# Altium PCB FPGA_A3P10002.PcbDoc (part 1 of 2) (continued)
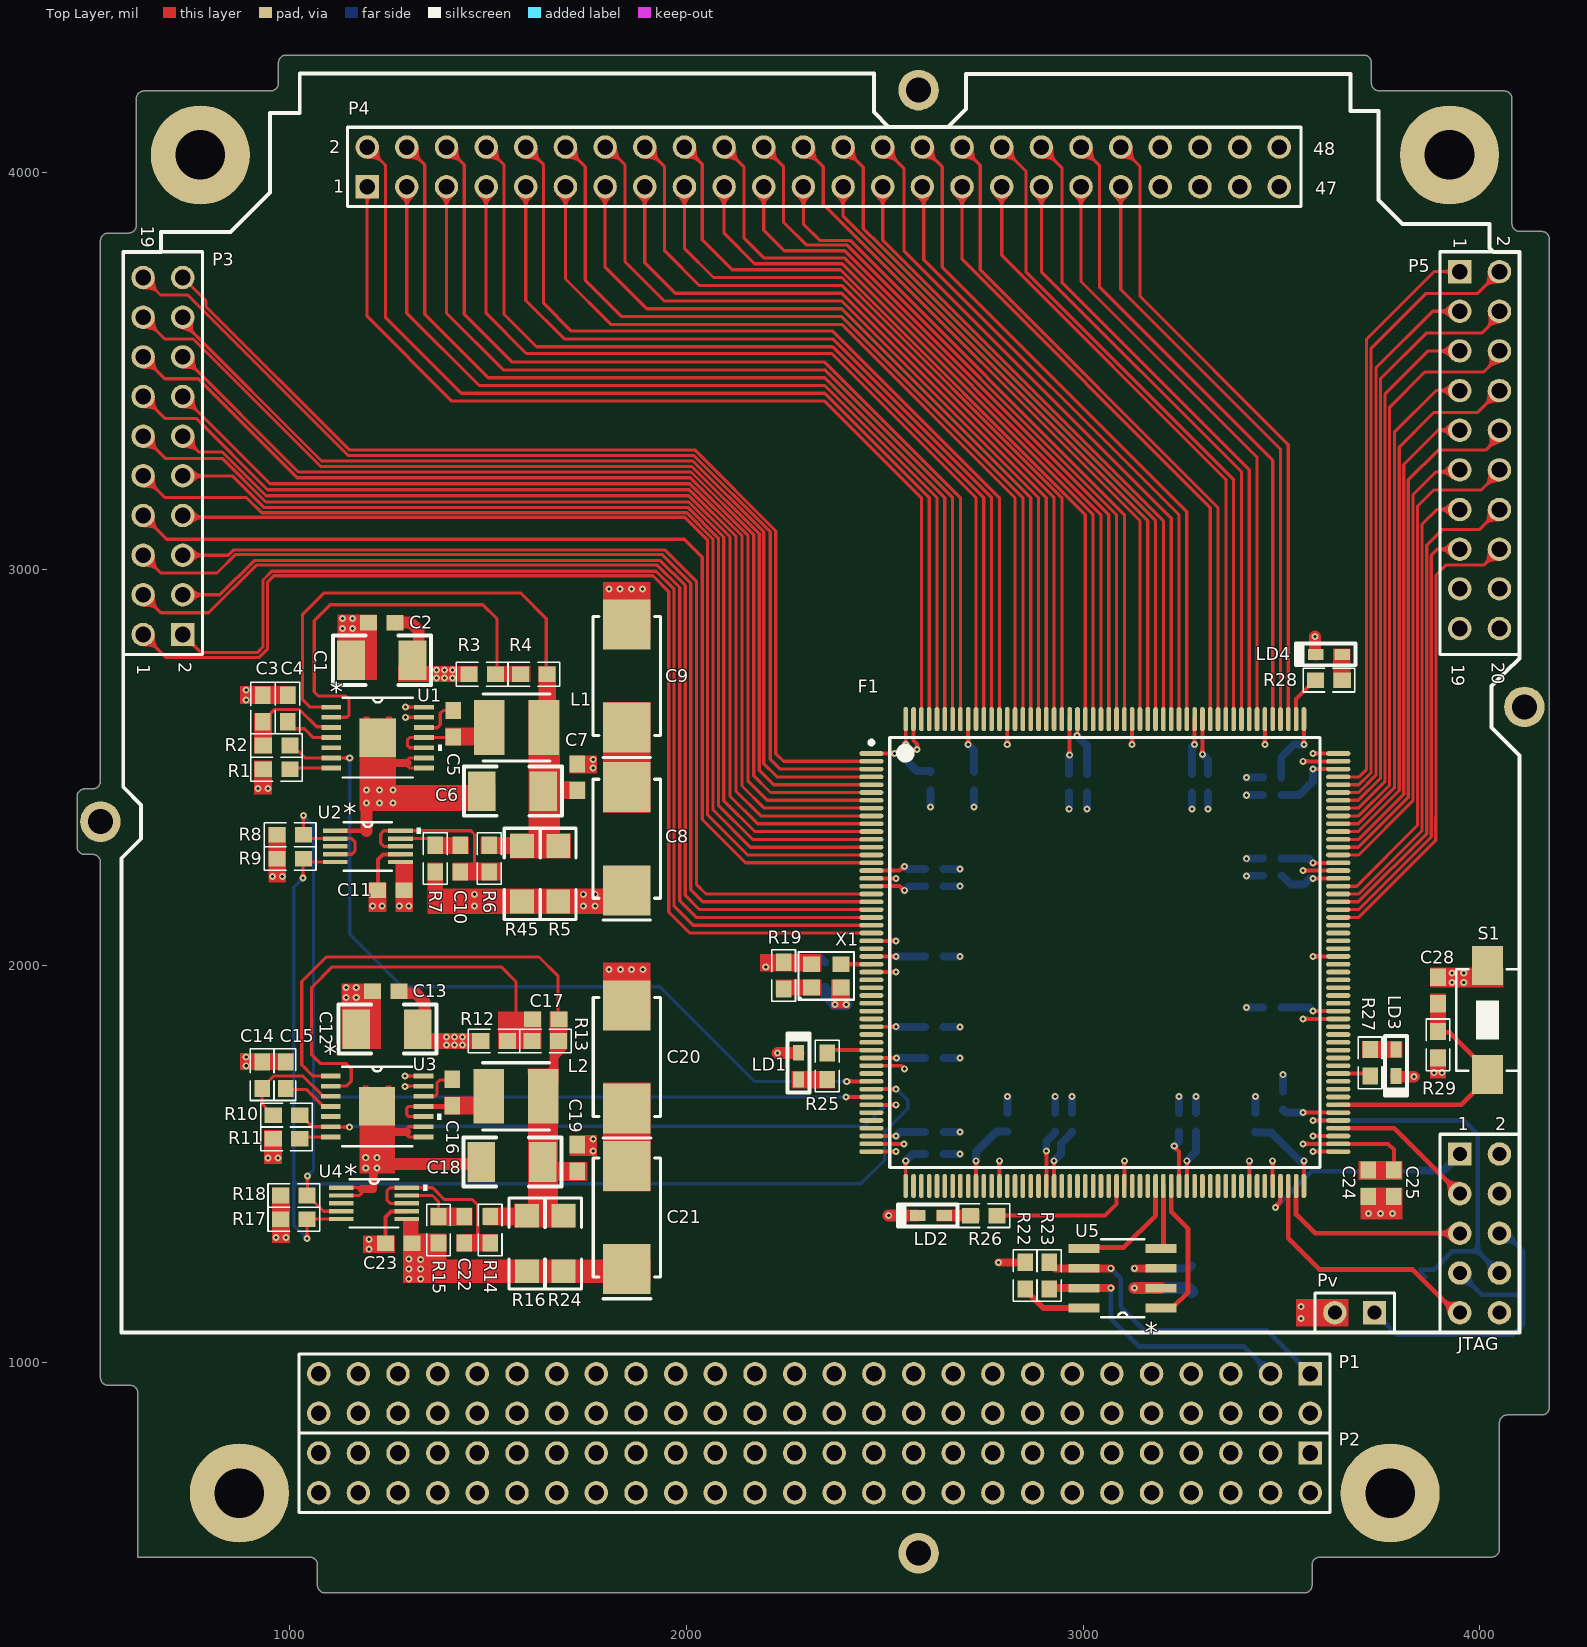
[diagram p0: Top Layer view]
## Components (designator, comment, footprint, x,y, rotation, side; value= is the part's Value field where it differs from the comment)
C1 "Cap" "C 1210" 1231.67,2770 r180 top value=22uF
C2 "Cap" 0603-2 1231.67,2865 r180 top value=100nF
C3 "Cap" 0603-2 932.17,2648.46 r270 top value=1.0uF
C4 "Cap" 0603-2 995,2648.46 r270 top value=3.3nF
C5 "Cap" 0603-2 1411.67,2610 r90 top value=100nF
C6 "Cap" "C 1210" 1561.67,2440 r180 top value=22uF
C7 "Cap" 0603-2 1725,2475 r90 top value=100nF
C8 "Cap Pol" CAP-7343 1849.5,2320 r90 top value=220uF
C9 "Cap Pol" CAP-7343 1849.5,2730 r90 top value=220uF
C10 "Cap" 0603-2 1430,2270 r90 top value=100nF
C11 "Cap" 0603-2 1254.2,2190 r0 top value=100nF
C12 "Cap" "C 1210" 1245,1840 r180 top value=22uF
C13 "Cap" 0603-2 1241.54,1935 r180 top value=100nF
C14 "Cap" 0603-2 930,1723.46 r270 top value=1.0uF
C15 "Cap" 0603-2 990,1723.46 r270 top value=15nF
C16 "Cap" 0603-2 1410,1680 r90 top value=100nF
C17 "Cap" 0603-2 1645,1865 r0 top value=10pF
C18 "Cap" "C 1210" 1560,1505 r180 top value=22uF
C19 "Cap" 0603-2 1725,1515 r90 top value=100nF
C20 "Cap Pol" CAP-7343 1850,1770 r90 top value=220uF
C21 "Cap Pol" CAP-7343 1850,1365 r90 top value=220uF
C22 "Cap" 0603-2 1440,1333.94 r90 top value=100nF
C23 "Cap" 0603-2 1275,1300 r0 top value=100nF
C24 "Cap" 0603-2 3718.72,1451.34 r90 top value=10nF
C25 "Cap" 0603-2 3783.72,1451.54 r90 top value=330nF
C26 "Cap" 0603-2 2350,1975 r90 bottom value=100nF
C27 "Cap" 0603-2 3275,1210 r270 bottom value=100nF
C28 "Cap" 0603-2 3895,1937.32 r90 top value=10uF
C29 "Cap" "C 0402" 2625,2200 r180 bottom value=100K
C30 "Cap" "C 0402" 2625,1767.25 r180 bottom value=100K
C31 "Cap" "C 0402" 2625,1580 r180 bottom value=100K
C32 "Cap" "C 0402" 2625,1525 r180 bottom value=100K
C33 "Cap" "C 0402" 2810,1605 r270 bottom value=100K
C34 "Cap" "C 0402" 3285,1605 r270 bottom value=100K
C35 "Cap" "C 0402" 2972.83,1605 r270 bottom value=100K
C36 "Cap" "C 0402" 3435,1605 r270 bottom value=100K
C37 "Cap" "C 0402" 3504.69,1660 r270 bottom value=100K
C38 "Cap" "C 0402" 3476.77,1895 r0 bottom value=100K
C39 "Cap" "C 0402" 3476.77,2226.77 r0 bottom value=100K
C40 "Cap" "C 0402" 3476.77,2430 r0 bottom value=100K
C41 "Cap" "C 0402" 3476.77,2475 r0 bottom value=100K
C42 "Cap" "C 0402" 3275,2460 r90 bottom value=100K
C43 "Cap" "C 0402" 2725,2465 r90 bottom value=100K
C44 "Cap" "C 0402" 2614.84,2465 r90 bottom value=100K
C45 "Cap" "C 0402" 3010,2460 r90 bottom value=100K
C47 "Cap" "C 0402" 2625,2243.5 r180 bottom value=100K
C48 "Cap" "C 0402" 2625,2023.15 r180 bottom value=100K
C49 "Cap" "C 0402" 2625,1845 r180 bottom value=100K
C50 "Cap" "C 0402" 2930.19,1605 r270 bottom value=100K
C51 "Cap" "C 0402" 3242,1605 r270 bottom value=100K
C52 "Cap" "C 0402" 3476.77,2270 r0 bottom value=100K
C53 "Cap" "C 0402" 3315,2460 r90 bottom value=100K
C54 "Cap" "C 0402" 2965,2460 r90 bottom value=100K
F1 "A3P1000PQ208" SQFP50P3060X3060X410-208N 3055,2033 r0 top
JTAG "" HDR2X5 3950,1525 r270 top
L1 "XAL4030-332" XAL40XX 1571.67,2600.59 r0 top
L2 "XAL4030-472" XAL40XX 1570,1670.59 r0 top
LD1 "" LED-0603 2282.83,1746.54 r90 top
LD2 "" LED-0603 2616.54,1370 r180 top
LD3 "" LED-0603 3789.28,1755.16 r270 top
LD4 "" LED-0603 3620,2785 r180 top
P1 "Header 26*2" "HEADER 26*2-2.54MM" 3572.83,971.14 r180 top
P2 "Header 26*2" "HEADER 26*2-2.54MM" 3572.83,771.14 r180 top locked
P3 "Header 10*2 anti" "HEADER 10*2-2.54MM" 730,2835 r90 top
P4 "Header 24*2" "Header 24*2-2.54mm" 1195,3964 r0 top
P5 "Header 10*2" "HEADER 10*2-2.54MM" 3950,3750 r270 top
Pv "" HDR1X2 3735,1125 r180 top
R1 "Res1" 0603-1 966.67,2495 r0 top value=10K
R2 "Res1" 0603-1 966.67,2555 r0 top value=100K
R3 "Res1" 0603-1 1485.13,2735 r0 top value=24.9K
R4 "Res1" 0603-1 1615.13,2735 r0 top value=24K
R5 "Res1" 1206 1676.67,2231.5 r270 top value=0.05
R6 "Res1" 0603-1 1502.77,2270 r270 top value=10
R7 "Res1" 0603-1 1366.54,2270 r90 top value=10
R8 "Res1" 0603-1 1000.94,2330 r0 top value=10K
R9 "Res1" 0603-1 1000.94,2270 r0 top value=10K
R10 "Res1" 0603-1 991.54,1623.23 r0 top value=100K
R11 "Res1" 0603-1 991.54,1563.23 r0 top value=10K
R12 "Res1" 0603-1 1515,1810 r0 top value=25.5K
R13 "Res1" 0603-1 1644.33,1810 r0 top value=84.5K
R14 "Res1" 0603-1 1505,1333.94 r270 top value=10
R15 "Res1" 0603-1 1375,1333.94 r90 top value=10
R16 "Res1" 1206 1597.83,1299.57 r270 top value=0.05
R17 "Res1" 0603-1 1010,1360.31 r0 top value=10K
R18 "Res1" 0603-1 1010,1420.31 r0 top value=10K
R19 "Res1" 0603-1 2245,1975 r90 top value=1K
R20 "Res1" 0603-1 3850,1450 r270 bottom value=1K
R21 "Res1" 0603-1 3850,1265 r270 bottom value=1K
R22 "Res1" 0603-1 2853.86,1218.46 r90 top value=10K
R23 "Res1" 0603-1 2915,1218.46 r270 top value=120R
R24 "Res1" 1206 1690,1299.57 r270 top value=0.05
R25 "Res1" 0603-1 2355,1746.54 r90 top value=1K
R26 "Res1" 0603-1 2750,1369.78 r0 top value=1K
R27 "Res1" 0603-1 3723.81,1755.16 r270 top value=1K
R28 "Res1" 0603-1 3620,2720 r180 top value=1K
R29 "Res1" 0603-1 3895,1800.47 r90 top value=10K
R45 "Res1" 1206 1585.77,2231.5 r270 top value=0.05
S1 "" SW_PB2_A1 4020,1865 r180 top
U1 "TPS54225" TPS54225 1221.67,2575 r0 top value=Value
U2 "INA220" INA220 1196.67,2300.63 r0 top value=Value
U3 "TPS54225" TPS54225 1220,1645 r0 top value=Value
U4 "INA220" INA220 1212.5,1400.63 r0 top value=Value
U5 "SN65HVD233" SN65HVD233 3100,1211.93 r180 top value=Value
X1 "SIT1602 50Mhz" SIT1602-2.5*2MM 2352.6,1974.41 r0 top

## Footprints (in the part's own frame and the unit in brackets; to place one, negate y for a bottom-side part, rotate by r counter-clockwise, add the part's x,y. Pads: shape width x height; smd on the part's side, far side on the other; paste and mask are expansions set on the pad)
0603-1 [mm] "贴片带丝印"
  rect 1.1x1 smd: 1(-0.85,0) 2(0.85,0)
  silkscreen extent -1.65,-0.76 1.65,0.76, body extent -1.14,-0.38 1.14,0.38, height 1
0603-2 [mm] "贴片无丝印"
  rect 1.1x1 smd: 1(-0.85,0) 2(0.85,0)
1206 [mil] "贴片元件"
  rect 60x60 smd: 1(-70,0) 2(70,0)
  silkscreen extent -115,-45 115,45, body extent -75,-35 75,35, height 39
"C 0402" [mil] "无极性贴片电容"
  rect 25x20 smd: 1(-23,0.16) 2(23,0.16)
  silkscreen extent -46,-21 46,21, body extent -20,-10 20,10, height 20
"C 1210" [mil] "无极性贴片电容"
  rect 70x100 smd: 1(-77.5,0) 2(77.5,0)
  silkscreen extent -125,-62 123,62, body extent -63,-51 63,51, height 60
CAP-7343 [mm] "钽电容"
  rect 3.2x3.05 smd: 1(-3.302,0) 2(3.302,0)
  silkscreen extent -5.21,-2.16 3.81,2.16, body extent -3.68,-1.91 3.68,1.91, height 2.95
HDR1X2 [mm] "Connector; Header; 2 Position"
  rect 1.5x1.5 hole 0.9: 1(0,0)
  round 1.5 hole 0.9: 2(2.54,0)
  silkscreen extent -1.27,-1.27 3.81,1.27
HDR2X5 [mm] "Connector; Header; 5x2 Position"
  rect 1.5x1.5 hole 0.9: 1(0,0)
  round 1.5 hole 0.9: 2(0,2.54) 3(2.54,0) 4(2.54,2.54) 5(5.08,0) 6(5.08,2.54) 7(7.62,0) 8(7.62,2.54) 9(10.16,0) 10(10.16,2.54)
  silkscreen extent -1.27,-1.27 11.43,3.81
"HEADER 10*2-2.54MM" [mm]
  rect 1.5x1.5 hole 1: 1(0,0)
  round 1.5 hole 1: 2(0,2.54) 3(2.54,0) 4(2.54,2.54) 5(5.08,0) 6(5.08,2.54) 7(7.62,0) 8(7.62,2.54) 9(10.16,0) 10(10.16,2.54) 11(12.7,0) 12(12.7,2.54) 13(15.24,0) 14(15.24,2.54) 15(17.78,0) 16(17.78,2.54) 17(20.32,0) 18(20.32,2.54) 19(22.86,0) 20(22.86,2.54)
  silkscreen extent -1.27,-1.27 24.52,3.81, body extent -1.27,-1.28 24.51,3.82, height 7.5
"Header 24*2-2.54mm" [mm]
  rect 1.5x1.5 hole 1: 1(0,0)
  round 1.5 hole 1: 2(0,2.54) 3(2.54,0) 4(2.54,2.54) 5(5.08,0) 6(5.08,2.54) 7(7.62,0) 8(7.62,2.54) 9(10.16,0) 10(10.16,2.54) 11(12.7,0) 12(12.7,2.54) 13(15.24,0) 14(15.24,2.54) 15(17.78,0) 16(17.78,2.54) 17(20.32,0) 18(20.32,2.54) 19(22.86,0) 20(22.86,2.54) 21(25.4,0) 22(25.4,2.54) 23(27.94,0) 24(27.94,2.54) 25(30.48,0) 26(30.48,2.54) 27(33.02,0) 28(33.02,2.54) 29(35.56,0) 30(35.56,2.54) 31(38.1,0) 32(38.1,2.54) 33(40.64,0) 34(40.64,2.54) 35(43.18,0) 36(43.18,2.54) 37(45.72,0) 38(45.72,2.54) 39(48.26,0) 40(48.26,2.54) 41(50.8,0) 42(50.8,2.54) 43(53.34,0) 44(53.34,2.54) 45(55.88,0) 46(55.88,2.54) 47(58.42,0) 48(58.42,2.54)
  silkscreen extent -1.27,-1.27 59.82,3.81, body extent -1.27,-1.27 59.82,3.83, height 7.5
"HEADER 26*2-2.54MM" [mm]
  rect 1.5x1.5 hole 1: 1(0,0)
  round 1.5 hole 1: 2(0,2.54) 3(2.54,0) 4(2.54,2.54) 5(5.08,0) 6(5.08,2.54) 7(7.62,0) 8(7.62,2.54) 9(10.16,0) 10(10.16,2.54) 11(12.7,0) 12(12.7,2.54) 13(15.24,0) 14(15.24,2.54) 15(17.78,0) 16(17.78,2.54) 17(20.32,0) 18(20.32,2.54) 19(22.86,0) 20(22.86,2.54) 21(25.4,0) 22(25.4,2.54) 23(27.94,0) 24(27.94,2.54) 25(30.48,0) 26(30.48,2.54) 27(33.02,0) 28(33.02,2.54) 29(35.56,0) 30(35.56,2.54) 31(38.1,0) 32(38.1,2.54) 33(40.64,0) 34(40.64,2.54) 35(43.18,0) 36(43.18,2.54) 37(45.72,0) 38(45.72,2.54) 39(48.26,0) 40(48.26,2.54) 41(50.8,0) 42(50.8,2.54) 43(53.34,0) 44(53.34,2.54) 45(55.88,0) 46(55.88,2.54) 47(58.42,0) 48(58.42,2.54) 49(60.96,0) 50(60.96,2.54) 51(63.5,0) 52(63.5,2.54)
  silkscreen extent -1.27,-1.27 64.77,3.81, body extent -1.28,-1.28 64.77,3.83, height 7.5
INA220 [mil]
  rect 62x11 smd: 1(-82.5,39.37) 2(-82.5,19.68) 3(-82.5,0) 4(-82.5,-19.68) 5(-82.5,-39.37) 6(82.5,-39.37) 7(82.5,-19.68) 8(82.5,0) 9(82.5,19.68) 10(82.5,39.37)
  silkscreen extent -61,-61 134,61, body extent -100,-61 100,61, height 43
LED-0603 [mm] "LED, SMD, 0603"
  rect 1x0.7 smd: 1(-0.85,0) 2(0.85,0)
  silkscreen extent -1.7,-0.7 2.1,0.7, body extent -1.03,-0.46 1.03,0.45, height 0.85
SIT1602-2.5*2MM [mm]
  rect 1.1x1 smd: 1(-0.95,-0.75) 2(0.95,-0.75) 3(0.95,0.75) 4(-0.95,0.75)
  silkscreen extent -1.78,-1.52 1.78,1.52
SN65HVD233 [mil]
  rect 78x22 smd: 1(-97,75) 2(-97,25) 3(-97,-25) 4(-97,-75) 5(97,-75) 6(97,-25) 7(97,25) 8(97,75)
  silkscreen extent -54,-98 54,98, body extent -122,-99 122,99, height 69
SQFP50P3060X3060X410-208N [mm] "SQFP, 208-Leads, Body 28.00x28.00mm, Pitch 0.50mm, IPC Medium Density"
  oval 1.55x0.3 smd: 1(-14.95,12.75) 2(-14.95,12.25) 3(-14.95,11.75) 4(-14.95,11.25) 5(-14.95,10.75) 6(-14.95,10.25) 7(-14.95,9.75) 8(-14.95,9.25) 9(-14.95,8.75) 10(-14.95,8.25) 11(-14.95,7.75) 12(-14.95,7.25) 13(-14.95,6.75) 14(-14.95,6.25) 15(-14.95,5.75) 16(-14.95,5.25) 17(-14.95,4.75) 18(-14.95,4.25) 19(-14.95,3.75) 20(-14.95,3.25) 21(-14.95,2.75) 22(-14.95,2.25) 23(-14.95,1.75) 24(-14.95,1.25) 25(-14.95,0.75) 26(-14.95,0.25) 27(-14.95,-0.25) 28(-14.95,-0.75) 29(-14.95,-1.25) 30(-14.95,-1.75) 31(-14.95,-2.25) 32(-14.95,-2.75) 33(-14.95,-3.25) 34(-14.95,-3.75) 35(-14.95,-4.25) 36(-14.95,-4.75) 37(-14.95,-5.25) 38(-14.95,-5.75) 39(-14.95,-6.25) 40(-14.95,-6.75) 41(-14.95,-7.25) 42(-14.95,-7.75) 43(-14.95,-8.25) 44(-14.95,-8.75) 45(-14.95,-9.25) 46(-14.95,-9.75) 47(-14.95,-10.25) 48(-14.95,-10.75) 49(-14.95,-11.25) 50(-14.95,-11.75) 51(-14.95,-12.25) 52(-14.95,-12.75) 105(14.95,-12.75) 106(14.95,-12.25) 107(14.95,-11.75) 108(14.95,-11.25) 109(14.95,-10.75) 110(14.95,-10.25) 111(14.95,-9.75) 112(14.95,-9.25) 113(14.95,-8.75) 114(14.95,-8.25) 115(14.95,-7.75) 116(14.95,-7.25) 117(14.95,-6.75) 118(14.95,-6.25) 119(14.95,-5.75) 120(14.95,-5.25) 121(14.95,-4.75) 122(14.95,-4.25) 123(14.95,-3.75) 124(14.95,-3.25) 125(14.95,-2.75) 126(14.95,-2.25) 127(14.95,-1.75) 128(14.95,-1.25) 129(14.95,-0.75) 130(14.95,-0.25) 131(14.95,0.25) 132(14.95,0.75) 133(14.95,1.25) 134(14.95,1.75) 135(14.95,2.25) 136(14.95,2.75) 137(14.95,3.25) 138(14.95,3.75) 139(14.95,4.25) 140(14.95,4.75) 141(14.95,5.25) 142(14.95,5.75) 143(14.95,6.25) 144(14.95,6.75) 145(14.95,7.25) 146(14.95,7.75) 147(14.95,8.25) 148(14.95,8.75) 149(14.95,9.25) 150(14.95,9.75) 151(14.95,10.25) 152(14.95,10.75) 153(14.95,11.25) 154(14.95,11.75) 155(14.95,12.25) 156(14.95,12.75)
  oval 0.3x1.55 smd: 53(-12.75,-14.95) 54(-12.25,-14.95) 55(-11.75,-14.95) 56(-11.25,-14.95) 57(-10.75,-14.95) 58(-10.25,-14.95) 59(-9.75,-14.95) 60(-9.25,-14.95) 61(-8.75,-14.95) 62(-8.25,-14.95) 63(-7.75,-14.95) 64(-7.25,-14.95) 65(-6.75,-14.95) 66(-6.25,-14.95) 67(-5.75,-14.95) 68(-5.25,-14.95) 69(-4.75,-14.95) 70(-4.25,-14.95) 71(-3.75,-14.95) 72(-3.25,-14.95) 73(-2.75,-14.95) 74(-2.25,-14.95) 75(-1.75,-14.95) 76(-1.25,-14.95) 77(-0.75,-14.95) 78(-0.25,-14.95) 79(0.25,-14.95) 80(0.75,-14.95) 81(1.25,-14.95) 82(1.75,-14.95) 83(2.25,-14.95) 84(2.75,-14.95) 85(3.25,-14.95) 86(3.75,-14.95) 87(4.25,-14.95) 88(4.75,-14.95) 89(5.25,-14.95) 90(5.75,-14.95) 91(6.25,-14.95) 92(6.75,-14.95) 93(7.25,-14.95) 94(7.75,-14.95) 95(8.25,-14.95) 96(8.75,-14.95) 97(9.25,-14.95) 98(9.75,-14.95) 99(10.25,-14.95) 100(10.75,-14.95) 101(11.25,-14.95) 102(11.75,-14.95) 103(12.25,-14.95) 104(12.75,-14.95) 157(12.75,14.95) 158(12.25,14.95) 159(11.75,14.95) 160(11.25,14.95) 161(10.75,14.95) 162(10.25,14.95) 163(9.75,14.95) 164(9.25,14.95) 165(8.75,14.95) 166(8.25,14.95) 167(7.75,14.95) 168(7.25,14.95) 169(6.75,14.95) 170(6.25,14.95) 171(5.75,14.95) 172(5.25,14.95) 173(4.75,14.95) 174(4.25,14.95) 175(3.75,14.95) 176(3.25,14.95) 177(2.75,14.95) 178(2.25,14.95) 179(1.75,14.95) 180(1.25,14.95) 181(0.75,14.95) 182(0.25,14.95) 183(-0.25,14.95) 184(-0.75,14.95) 185(-1.25,14.95) 186(-1.75,14.95) 187(-2.25,14.95) 188(-2.75,14.95) 189(-3.25,14.95) 190(-3.75,14.95) 191(-4.25,14.95) 192(-4.75,14.95) 193(-5.25,14.95) 194(-5.75,14.95) 195(-6.25,14.95) 196(-6.75,14.95) 197(-7.25,14.95) 198(-7.75,14.95) 199(-8.25,14.95) 200(-8.75,14.95) 201(-9.25,14.95) 202(-9.75,14.95) 203(-10.25,14.95) 204(-10.75,14.95) 205(-11.25,14.95) 206(-11.75,14.95) 207(-12.25,14.95) 208(-12.75,14.95)
  silkscreen extent -15.07,-13.77 13.77,13.78, body extent -14,-14 14,14, height 4.1
SW_PB2_A1 [mm]
  rect 2x2.5 smd: 1(0,3.556) 2(0,-3.444)
  silkscreen extent -2,-3.19 2,3.31, body extent -2.03,-3.18 2.03,3.3, height 1.2
TPS54225 [mil]
  rect 50x12 smd: 1(-117,76.77) 2(-117,51.18) 3(-117,25.59) 4(-117,0) 5(-117,-25.59) 6(-117,-51.18) 7(-117,-76.77) 8(117,-76.77) 9(117,-51.18) 10(117,-25.59) 11(117,0) 12(117,25.59) 13(117,51.18) 14(117,76.77)
  rect 90.94x96.85 smd: 15(0,0)
  Top Layer region: 35.43,-48.43 21.65,-48.43 21.65,-52.36 35.43,-52.36
  Top Layer region: -35.43,-48.43 -21.65,-48.43 -21.65,-52.36 -35.43,-52.36
  Top Layer region: -35.43,48.43 -21.65,48.43 -21.65,52.36 -35.43,52.36
  Top Layer region: 35.43,48.43 21.65,48.43 21.65,52.36 35.43,52.36
  Top Layer region: 0,-48.43 0,-48.43 0,-48.43 0,-48.43 0,-48.43 0,-48.43 0,-48.43 0,-48.43
  Top Layer region: 0,48.43 0,48.43 0,48.43 0,48.43 0,48.43 0,48.43 0,48.43 0,48.43
  silkscreen extent -88,-100 162,100, body extent -130,-100 130,100, height 67
XAL40XX [mm] "Precision Wire Wound Inductor, 2-Leads, Body 4.00x4.00mm, IPC Medium Density"
  rect 1.95x3.5 smd: 1(-1.75,0) 2(1.75,0)
  silkscreen extent -2.15,-2.15 2.15,2.15, body extent -2.15,-2.15 2.15,2.15, height 3.1

## Part data
C1 C2 C3 C4 C5 C6 C7 C10 C11 C12 C13 C14 C15 C16 C17 C18 C19 C22 C23 C24 C25 C26 C27 C28 C29 C30 C31 C32 C33 C34 C35 C36 C37 C38 C39 C40 C41 C42 C43 C44 C45 C47 C48 C49 C50 C51 C52 C53 C54: "无极性电容", LatestRevisionDate=17-Jul-2002, LatestRevisionNote="Re-released for DXP Platform.", PackageReference=RAD-0.3, Published=8-Jun-2000, Publisher="Altium Limited"
C8 C9 C20 C21: "极性电解电容", LatestRevisionDate=17-Jul-2002, LatestRevisionNote="Re-released for DXP Platform.", PackageReference=RB7.6-15, Published=8-Jun-2000, Publisher="Altium Limited"
F1: library part Component_1
JTAG: library part "Header 5X2", "Header, 5-Pin, Dual row", LatestRevisionDate=17-Jul-2002, LatestRevisionNote="Re-released for DXP Platform.", Publisher="Altium Limited"
L1 L2: library part XAL40xx
LD1 LD2 LD3 LD4: library part LED, "LED"
Pv: library part "Header 2", "Header, 2-Pin", LatestRevisionDate=17-Jul-2002, LatestRevisionNote="Re-released for DXP Platform.", Publisher="Altium Limited"
R1 R2 R3 R4 R5 R6 R7 R8 R9 R10 R11 R12 R13 R14 R15 R16 R17 R18 R19 R20 R21 R22 R23 R24 R25 R26 R27 R28 R29 R45: "贴片电阻", LatestRevisionDate=17-Jul-2002, LatestRevisionNote="Re-released for DXP Platform.", PackageReference=AXIAL-0.4, Published=8-Jun-2000, Publisher="Altium Limited"
S1: library part SW-PB, "微动开关", LatestRevisionDate=17-Jul-2002, LatestRevisionNote="Re-released for DXP Platform.", PackageReference=SPST-2, Published=24-Mar-1999, Publisher="Altium Limited"
U1 U3: library part TPS54225_PWP_14, "Imported", Manufacturer="Texas Instruments", Manufacturer_Part_Number=tps54225_pwp_14, PACKAGE_DESIGNATOR=PWP, Datasheet_URL=http://www.ti.com/lit/gpn/TPS54225, FAMILY_NAME="STEP-DOWN REGULATOR", GENERIC_PART_NUMBER=TPS54225, INDUSTRY_STD_PKG_TYPE=HTSSOP, PIN_COUNT=14, RefDes=RefDes, Type=Type, Vendor="Texas Instruments"
U2 U4: library part INA220_DGS_10, "Imported", Manufacturer="Texas Instruments", Manufacturer_Part_Number=ina220_dgs_10, PACKAGE_DESIGNATOR=DGS, Datasheet_URL=http://www.ti.com/lit/gpn/INA220, FAMILY_NAME="CURRENT SHUNT MONITOR", GENERIC_PART_NUMBER=INA220, INDUSTRY_STD_PKG_TYPE=MSOP, PIN_COUNT=10, RefDes=RefDes, Type=Type, Vendor="Texas Instruments"
U5: library part SN65HVD233_D_8, "Imported", Manufacturer="Texas Instruments", Manufacturer_Part_Number=sn65hvd233_d_8, PACKAGE_DESIGNATOR=D, Datasheet_URL=http://www.ti.com/lit/gpn/SN65HVD233, FAMILY_NAME=CAN, GENERIC_PART_NUMBER=SN65HVD233, INDUSTRY_STD_PKG_TYPE=SOIC, PIN_COUNT=8, RefDes=RefDes, Type=Type, Vendor="Texas Instruments"
X1: library part SIT1602, "2.5*2.0mm"

## Free pads (board coordinates)
  round 102.36 hole 62.99: 0(522.44,2363.07) 0(2585.43,518.58) 0(2585.43,4207.56) 0(4112.99,2652.44)
  round 250 hole 125: 0(774.41,4044.17) 0(872.83,670.16) 0(3774.41,670.16) 0(3924.02,4044.17)

## Via types
v1: diameter 17.72, hole 7.87, Top Layer to Bottom Layer, 184 vias

## Nets (pads, with @x,y where several pads share a name; then routed paths per layer and width w, separated by ;. In a path a pad name is that pad's centre, name@x,y a point inside that pad or via, vN(x,y) a via of type N, cw(c..) or ccw(c..) an arc to the next point about the centre after c; other vN are vias at no path point)
1V5_EN: R1.2 U1.7 | length 100.9
  Top Layer w8: R1.2@1005.13,2495 1008.36,2498.23 U1.7@1104.67,2498.23
1V5_PG: F1.43 R2.2 U1.6 | length 2074.9
  Top Layer w8: R2.2@1005.13,2555 1007.1,2555 1038.28,2523.82 U1.6@1104.67,2523.82 v1@1150.49,2523.82
  Top Layer w10: v1(2404.25,1708.2) F1.43@2467.83,1708.2 ; F1.43@2465.01,1708.2 F1.43@2466.42,1708.2
  Bottom Layer w8: v1(1151.08,2523.23) 1151.08,2078.92 1283.04,1946.96 1933.04,1946.96 2172.5,1707.5 2173.2,1708.2 v1(2404.25,1708.2)
3V3_EN: R11.2 U3.7 | length 80.1
  Top Layer w8: R11.2@1025,1563.23 1030,1568.23 U3.7@1103,1568.23
3V3_PG: F1.46 R10.2 U3.6 | length 1603.2
  Top Layer w8: R10.2@1025,1623.23 1026.97,1623.23 1056.38,1593.82 U3.6@1103,1593.82 1103.59,1593.23 1149.41,1593.23 v1(1150,1592.64)
  Top Layer w10: F1.46@2465,1649.13 v1(2528.58,1649.13)
  Bottom Layer w8: v1(1150,1592.64) 1152.36,1595 2450,1595 2504.13,1649.13 v1(2528.58,1649.13)
BUS_CANH: P1.3 R23.2 U5.7 | length 693.7
  Top Layer w8: R23.2@2915,1185 R23.2@2916.93,1186.93
  Top Layer w20: R23.2@2916.93,1186.93 U5.7@3003,1186.93 v1(3070,1186.93)
  Bottom Layer w8: P1.3@3472.83,971.14 P1.3@3472.83,972.17
  Bottom Layer w12: v1(3070,1186.93) 3070,1110 3140,1040 3405,1040 P1.3@3472.83,972.17
BUS_CANL: P1.1 R23.1 U5.6 | length 816.3
  Top Layer w8: R23.1@2915,1251.93 R23.1@2930,1236.93
  Top Layer w20: R23.1@2930,1236.93 U5.6@3003,1236.93 v1(3070,1236.93)
  Bottom Layer w12: v1(3070,1236.93) 3095,1211.93 3095,1140 3155,1080 3463.98,1080 P1.1@3572.83,971.14
BUS_CANLB: F1.85 U5.5 | length 288.9
  Top Layer w8: U5.5@3003,1286.93 U5.5@3005.53,1289.46
  Top Layer w12: U5.5@3005.53,1289.46 3102.64,1289.46 3182.95,1369.78 F1.85@3182.95,1444.42
BUS_CANR: F1.86 U5.4 | length 159.8
  Top Layer w8: U5.4@3197,1286.93 U5.4@3202.64,1292.57
  Top Layer w12: U5.4@3202.64,1292.57 F1.86@3202.64,1444.42
BUS_CANT: F1.87 U5.1 | length 369.7
  Top Layer w8: U5.1@3197,1136.93 U5.1@3225,1136.93
  Top Layer w12: F1.87@3222.32,1444.42 3222.32,1379.37 3265,1336.69 3265,1176.93 U5.1@3225,1136.93
CLK: F1.28 X1.3 | length 76.6
  Top Layer w10: X1.3@2390,2003.94 X1.3@2390.46,2003.47
  Top Layer w12: X1.3@2390.46,2003.47 F1.28@2466.42,2003.47
GCA0/IO93NDB1: F1.133
GCA1/IO93PDB1: F1.132
GCA2/IO94PSB1: F1.131
GCB0/IO92NDB1: F1.134
GCB2/IO95PSB1: F1.129
GCC2/IO96PDB1: F1.128
GDA1/IO113PDB1: F1.112
GDA2/IO114RSB2: F1.99
GDB0/IO112NDB1: F1.113
GDB1/IO112PDB1: F1.114
GDB2/IO115RSB2: F1.98
GDC1/IO111PDB1: F1.116
GDC2/IO116RSB2: F1.96
GEA0/IO188NDB3: F1.49
GEA1/IO188PDB3: F1.48
GEA2/IO187RSB2: F1.54
GEB0/IO189NDB3: F1.47
GEB2/IO186RSB2: F1.55
GEC2/IO185RSB2: F1.56
GFA0/IO207NPB3: F1.26
GFA2/IO206PDB3: F1.30
GFB2/IO205PDB3: F1.32
GFC2/IO204PDB3: F1.34
GND: C1.1 C2.1 C3.1 C4.1 C6.2 C7.2 C9.2 C11.1 C12.1 C13.1 C14.1 C15.1 C18.2 C19.2 C20.2 C23.1 C24.1 C25.1 C26.1 C27.2 C29.1 C30.1 C31.1 C32.1 C33.1 C34.1 C35.1 C36.1 C37.1 C38.1 C39.1 C40.1 C41.1 C42.1 C43.1 C44.1 C45.1 C47.1 C48.1 C49.1 C50.1 C51.1 C52.1 C53.1 C54.1 F1.1 F1.17 F1.25 F1.29 F1.41 F1.51 F1.52 F1.65 F1.81 F1.97 F1.100 F1.105 F1.107 F1.122 F1.130 F1.141 F1.155 F1.156 F1.162 F1.179 F1.195 F1.207 JTAG.2 JTAG.10 LD1.2 LD2.2 LD3.2 LD4.2 P2.29 P2.30 P2.31 P2.32 P4.47 P4.48 P5.19 P5.20 R3.1 R12.1 R20.2 R21.1 R22.2 R29.1 U1.8 U1.9 U1.15 U2.1 U2.7 U3.8 U3.9 U3.15 U4.1 U4.2 U4.7 U5.2 X1.2 | length 5101.8
  Top Layer w8: U4.2@1130,1420.31 1175.31,1420.31 1180,1425 1180,1435.91 ; U4.1@1130,1440.91 1175,1440.91 1180,1435.91 ; 1180.83,1436.73 1180,1435.91 ; U3.15@1210.35,1635.35 U3.15@1220,1645 ; U1.15@1221.67,2575 1221.67,2520.45 1231.1,2511.02 ; U3.8@1337,1568.23 1300,1568.23 1295,1573.23 1295,1581.02 1295,1588.82 1300,1593.82 U3.9@1337,1593.82 ; U1.8@1338.67,2498.23 1301.67,2498.23 1296.67,2503.23 1296.67,2511.02 1296.67,2518.82 1301.67,2523.82 U1.9@1338.67,2523.82
  Top Layer w10: C11.1@1220.74,2190 1222.43,2190 1222.43,2267.43 1235,2280 U2.7@1279.17,2280 ; C23.1@1241.54,1300 1241.54,1366.54 1255.44,1380.44 1294.5,1380.44 U4.7@1295,1380.94 ; F1.52@2465,1531.02 v1(2528.58,1531.02) ; F1.29@2465,1983.78 v1(2528.58,1983.78) ; F1.25@2465,2062.52 v1(2528.58,2062.52) ; F1.17@2465,2220 v1(2528.58,2220) ; F1.51@2465.35,1550.36 v1(2548.44,1550.36) ; F1.51@2466.42,1550.72 F1.51@2466.76,1550.37 ; F1.1@2466.42,2534.97 v1(2525,2535) ; F1.41@2467.83,1747.57 2542.43,1747.57 v1(2550,1740) ; F1.207@2572.72,2622.98 2572.72,2567.13 2581.48,2558.37 v1(2581.48,2545) ; F1.65@2789.25,1444.42 v1(2789.25,1508) ; v1(2808.94,2558) F1.195@2808.94,2621.58 ; F1.81@3104.21,1444.42 v1(3104.21,1508) ; v1(3123.9,2558) F1.179@3123.9,2621.58 ; F1.97@3419.17,1444.42 v1(3419.17,1508) ; v1(3458.54,2558) F1.162@3458.54,2621.58 ; F1.100@3478.23,1444.42 v1(3478.23,1508) ; v1(3555,1865.67) F1.122@3644.98,1865.67 ; v1(3555,2239.68) F1.141@3644.98,2239.68 ; v1(3555,2515.28) F1.155@3644.98,2515.28 ; v1(3580,1531.03) F1.105@3643.58,1531.03 ; v1(3580,1570.4) F1.107@3643.58,1570.4 ; v1(3580,2023.16) F1.130@3643.58,2023.16 ; v1(3580,2534.97) F1.156@3643.58,2534.97
  Top Layer w12: U2.1@1130.17,2340 1193.12,2340
  Top Layer w20: 1180.83,1436.73 1210.35,1436.73 1210.35,1500 1210.35,1553.57 1238.67,1581.9 1220,1600.57 U3.15@1220,1645 ; 1231.1,2511.02 1296.67,2511.02 ; 1239.55,1581.02 1295,1581.02 ; v1(2786.86,1251.93) R22.2@2853.86,1251.93
  Top Layer w30: 1193.12,2340 v1(1193.12,2410) v1(1193.12,2443.23) 1193.12,2546.46 U1.15@1221.67,2575 ; 1210.35,1500 1477.5,1500 C18.2@1482.5,1505 ; C2.1@1265.13,2865 1269.82,2860.32 1274.5,2865 1305,2865 1325,2845 1325,2785.83 C1.1@1309.17,2770 ; C13.1@1275,1935 1276.97,1935 1281.65,1930.32 1317.83,1930.32 1340,1908.15 1340,1857.5 C12.1@1322.5,1840 ; C19.2@1725,1546.5 C19.2@1725,1548.46 ; v1(2230,1780) LD1.2@2282.83,1780 ; v1(2510,1369.78) 2582.85,1369.78 LD2.2@2583.07,1370 ; v1(3130,1186.93) U5.2@3197,1186.93 ; v1(3585,2830) 3585,2786.22 3586.22,2785 LD4.2@3586.54,2785 ; LD3.2@3789.28,1721.69 3789.28,1721.22 3790.5,1720 v1(3835,1720)
  Bottom Layer w20: v1(2615,2400) C44.1@2615,2442 ; C32.1@2648,1525.16 v1@2689.84,1525.16 ; C31.1@2648,1580.16 v1@2689.84,1580.16 ; C30.1@2648,1767.41 v1@2689.84,1767.41 ; C49.1@2648,1845.16 v1@2689.84,1845.16 ; C48.1@2648,2023.31 v1@2689.84,2023.31 ; C29.1@2648,2200.16 v1@2689.84,2200.16 ; C47.1@2648,2243.66 v1(2690,2243.66) ; v1(2725.16,2400) C43.1@2725.16,2442 ; C33.1@2809.84,1628 v1@2809.84,1669.84 ; C50.1@2930.03,1628 v1@2930.03,1669.84 ; v1(2965.16,2395) C54.1@2965.16,2437 ; C35.1@2972.68,1628 v1@2972.68,1669.84 ; v1(3010.16,2395) C45.1@3010.16,2437 ; C51.1@3241.84,1628 v1@3241.84,1669.84 ; v1(3275.16,2395) C42.1@3275.16,2437 ; C34.1@3284.84,1628 v1@3284.84,1669.84 ; v1(3315.16,2395) C53.1@3315.16,2437 ; v1@3411.93,1894.84 C38.1@3453.77,1894.84 ; v1@3411.93,2226.62 C39.1@3453.77,2226.62 ; v1@3411.93,2269.84 C52.1@3453.77,2269.84 ; v1@3411.93,2429.84 C40.1@3453.77,2429.84 ; v1@3411.93,2474.84 C41.1@3453.77,2474.84 ; C36.1@3434.84,1628 v1@3434.84,1669.84 ; C37.1@3504.53,1683 v1@3504.53,1724.84
  Bottom Layer w30: C26.1@2350,1941.54 2350,1927.5 v1(2375,1902.5) v1(2403,1902.5) ; v1(3130,1186.93) 3264.61,1186.93 3268.35,1183.19 3270.32,1183.19 3275,1178.5 C27.2@3275,1176.54
  other v1: 1200,1285 1200,1310 3720,1375 3750,1375 3780,1375 1191.46,1490 1220,1490 1191.46,1515.79 1220,1515.79 2690,1525.32 1765,1533 1765,1563 2690,1580.32 2809.68,1670 2929.87,1670 2972.52,1670 3241.68,1670 3284.68,1670 3434.68,1670 3504.37,1725 3885,1730 3905,1730 890,1747.5 2690,1767.57 890,1770 1395,1800 1415,1800 1435,1800 1395,1820 1415,1820 1435,1820 2690,1845.32 3411.77,1894.68 1805,1990 1833.33,1990 1861.67,1990 1890,1990 2690,2023.46 1209,2150 1233,2150 2690,2200.32 3411.77,2226.46 3411.77,2269.68 1226.56,2410 1260,2410 3411.77,2429.68 1226.56,2443.23 1260,2443.23 3411.77,2474.68 1765,2498.23 1765,2520 890,2670 890,2695 1370,2725 1390,2725 1410,2725 1370,2745 1390,2745 1410,2745 1804.5,2950 1832.83,2950 1861.17,2950 1889.5,2950
IO96NDB1: F1.127
IO99NDB1: F1.124
IO99PDB1: F1.125
IO104PSB1: F1.121
IO106NDB1: F1.119
IO106PDB1: F1.120
IO109NDB1: F1.117
IO109PDB1: F1.118
IO118RSB2: F1.95
IO120RSB2: F1.94
IO122RSB2: F1.93
IO124RSB2: F1.92
IO126RSB2: F1.91
IO128RSB2: F1.90
IO139RSB2: F1.84
IO141RSB2: F1.83
IO143RSB2: F1.82
IO150RSB2: F1.79
IO152RSB2: F1.78
IO154RSB2: F1.77
IO156RSB2: F1.76
IO158RSB2: F1.75
IO160RSB2: F1.74
IO162RSB2: F1.73
IO166RSB2: F1.70
IO168RSB2: F1.69
IO170RSB2: F1.68
IO172RSB2: F1.67
IO174RSB2: F1.66
IO176RSB2: F1.64
IO178RSB2: F1.63
IO180RSB2: F1.61
IO181RSB2: F1.60
IO182RSB2: F1.59
IO183RSB2: F1.58
IO184RSB2: F1.57
IO191PDB3: F1.42
IO199NDB3: F1.38
IO199PDB3: F1.37
IO204NDB3: F1.35
IO205NDB3: F1.33
IO206NDB3: F1.31
LED1: F1.39 R25.2 | length 124.3
  Top Layer w8: R25.2@2345,1780 R25.2@2355,1780 R25.2@2361.94,1786.94
  Top Layer w10: R25.2@2361.94,1786.94 F1.39@2466.42,1786.94
LED2: F1.80 R26.2 | length 358.4
  Top Layer w10: R26.2@2783.46,1369.78 3055,1369.78 3084.53,1399.31 F1.80@3084.53,1444.42
LED3: F1.115 R27.2 | length 82.8
  Top Layer w10: F1.115@3643.58,1727.88 3717.62,1727.88 R27.2@3723.81,1721.69
LED4: F1.158 R28.2 | length 120
  Top Layer w8: R28.2@3584.57,2720 R28.2@3586.54,2720
  Top Layer w10: F1.158@3537.28,2621.58 3537.28,2672.72 R28.2@3584.57,2720
NetC3_2: C3.2 R2.1 U1.3 | length 205
  Top Layer w8: C3.2@932.17,2615 932.17,2616.97 960.85,2645.65 1024.35,2645.65 1067.67,2602.33 1102.92,2602.33 U1.3@1104.67,2600.59
NetC4_2: C4.2 U1.4 | length 127.4
  Top Layer w8: C4.2@995,2615 995,2613.03 1010.68,2597.35 1037,2597.35 1059.35,2575 U1.4@1104.67,2575
NetC5_1: C5.1 L1.1 U1.10 U1.11 | length 177.4
  Top Layer w8: U1.10@1338.67,2549.41 1301.67,2549.41 1296.67,2554.41 1296.67,2570 1301.67,2575 U1.11@1338.67,2575 1410.13,2575 C5.1@1411.67,2576.54
NetC5_2: C5.2 U1.12 | length 107.9
  Top Layer w8: U1.12@1338.67,2600.59 1343.79,2600.59 1344.38,2600 1371.67,2600 1379.5,2607.83 1379.5,2636.3 1386.67,2643.46 C5.2@1411.67,2643.46
NetC6_1: C6.1 C7.1 L1.2 R4.2 R5.1 R6.1 R45.1 U1.1 | length 1101.2
  Top Layer w8: U1.1@1104.67,2651.77 1051.67,2651.77 1031.67,2671.77 1031.67,2885 1086.67,2940 1581.67,2940 1646.63,2875.04 1646.63,2735 R4.2@1648.6,2735
NetC8_2: C8.2 C9.1
NetC10_1: C10.1 R6.2 U2.8 U2.10 | length 432.1
  Top Layer w8: U2.8@1279.17,2300.63 1237.08,2300.63 1229.17,2308.54 1229.17,2332.05 1237.12,2340 U2.10@1279.17,2340 1456.33,2340 1465.54,2330.8 1465.54,2245.54 ; C10.1@1430,2236.54 1456.54,2236.54
NetC10_2: C10.2 R7.2 U2.9 | length 94.8
  Top Layer w8: U2.9@1279.17,2320.31 1350.54,2320.31 1366.54,2304.31 R7.2@1366.54,2303.46
NetC14_2: C14.2 R10.1 U3.3 | length 286.9
  Top Layer w8: R10.1@958.07,1623.23 930,1651.3 C14.2@930,1690 930,1691.97 959.8,1721.77 1032.82,1721.77 1084,1670.59 U3.3@1103,1670.59
NetC15_2: C15.2 U3.4 | length 132.8
  Top Layer w8: C15.2@990,1690 990,1688.03 1040.97,1688.03 1084,1645 U3.4@1103,1645
NetC16_1: C16.1 L2.1 U3.10 U3.11 | length 177.4
  Top Layer w8: U3.10@1337,1619.41 1300,1619.41 1295,1624.41 1295,1640 1300,1645 U3.11@1337,1645 ; C16.1@1408.46,1645 C16.1@1410,1646.54
  Top Layer w12: U3.11@1337,1645 C16.1@1408.46,1645
NetC16_2: C16.2 U3.12 | length 108.7
  Top Layer w8: U3.12@1337,1670.59 1365.59,1670.59 1371,1676 1371,1704.59 1377.91,1711.5 1410,1711.5 C16.2@1410,1713.46
NetC17_1: C17.1 R12.2 R13.1 U3.2 | length 1096.1
  Top Layer w8: U3.2@1103,1696.18 1142.24,1696.18 1155,1708.94 1155,1740 1141.54,1753.46 1076.54,1753.46 1055,1775 1055,1945 1106.77,1996.77 1533.23,1996.77 1570,1960 1570,1810 R12.2@1548.46,1810
NetC17_2: C17.2 C18.1 C19.1 L2.2 R13.2 R14.1 R16.1 R24.1 U3.1 | length 1418.9
  Top Layer w8: U3.1@1103,1721.77 1058.23,1721.77 1030,1750 1030,1960 1091.77,2021.77 1628.23,2021.77 1676.5,1973.5 1676.5,1865 C17.2@1678.46,1865 ; C18.1@1637.5,1505 1638.9,1506.4 L2.2@1638.9,1670.59 1673.28,1704.98 1673.28,1805.49 R13.2@1677.8,1810
NetC20_1: C20.1 C21.2
NetC22_1: C22.1 R14.2 U4.8 U4.10 | length 450.3
  Top Layer w8: U4.8@1295,1400.63 1252.91,1400.63 1245,1408.54 1245,1432.05 1252.95,1440 U4.10@1295,1440 1360,1440 1390,1410 1460.63,1410 1474,1396.63 1474,1312.19 1462.28,1300.47 C22.1@1440,1300.47
NetC22_2: C22.2 R15.2 U4.9 | length 132.9
  Top Layer w8: U4.9@1295,1420.31 1359.69,1420.31 1375,1405 R15.2@1375,1358.46
NetJTAG_6: JTAG.6 JTAG.7 Pv.1 | length 854.6
  Bottom Layer w8: JTAG.6@4050,1325 JTAG.6@4065,1325
  Bottom Layer w12: Pv.1@3735,1125 3790,1070 4085,1070 4110,1095 4110,1170 ; JTAG.7@3950,1225 4005,1170 4110,1170 ; JTAG.6@4065,1325 4110,1280 4110,1170
NetLD1_1: LD1.1 R25.1
NetLD2_1: LD2.1 R26.1
NetLD3_1: LD3.1 R27.1
NetLD4_1: LD4.1 R28.1
NetR3_2: R3.2 R4.1 U1.2 | length 993.8
  Top Layer w8: U1.2@1104.67,2626.18 1144.22,2626.18 1148.91,2630.87 1148.91,2672.76 1141.67,2680 1071.67,2680 1061.67,2690 1061.67,2870 1101.67,2910 1486.67,2910 1522.35,2874.31 R3.2@1522.35,2735
NetR19_1: R19.1 X1.1
NetR22_1: R22.1 U5.8 | length 170.2
  Top Layer w8: R22.1@2853.86,1183.03 R22.1@2853.86,1185
  Top Layer w15: R22.1@2853.86,1183.03 2899.96,1136.93 U5.8@3003,1136.93
OBCMON_SCL: F1.44 R9.2 R17.2 U2.5 U4.5 | length 2992.9
  Top Layer w8: v1(1033.46,2220.93) R9.2@1033.46,2269.06 ; R9.2@1034.4,2270 1043.14,2261.26 U2.5@1114.17,2261.26 ; v1(1043.46,1312.19) R17.2@1043.46,1360.31 1044.41,1361.26 U4.5@1130,1361.26
  Top Layer w10: F1.44@2465,1688.5 v1(2528.58,1688.5)
  Bottom Layer w8: v1(1033.46,2220.93) 1010,2197.47 1010,1450 ; v1(1043.46,1312.19) 1010,1345.65 1010,1450 ; v1(2528.58,1688.5) 2530.16,1688.5 2557.93,1660.73 2557.93,1638.8 2500,1580.87 2500,1510 2440,1450 1010,1450
OBCMON_SDA: F1.45 R8.2 R18.2 U2.2 U2.4 U4.4 | length 2746.5
  Top Layer w8: v1(1034.4,2378.13) R8.2@1034.4,2330 1044.09,2320.31 U2.2@1114.17,2320.31 1156.21,2320.31 1164.17,2312.36 1164.17,2288.9 1156.21,2280.94 U2.4@1114.17,2280.94 ; v1(1044.41,1470) 1044.41,1421.26 R18.2@1043.46,1420.31 1045.43,1420.31 1084.8,1380.94 U4.4@1130,1380.94
  Top Layer w10: v1(2402.83,1668.83) F1.45@2466.42,1668.83
  Bottom Layer w8: v1(1034.4,2378.13) 1060,2352.53 1060,1668.83 ; v1(1044.41,1470) 1060,1485.59 1060,1668.83 ; v1(2402.83,1668.83) 1060,1668.83
OUT_1: F1.24 P3.2 | length 2891.2
  Top Layer w8: P3.2@630,2835 688.37,2776.63 921.63,2776.63 943.96,2798.96 943.96,2967.7 959.18,2982.91 1915.71,2982.91 1955.4,2943.22 1955.4,2135.4 2008.59,2082.21 F1.24@2466.42,2082.21
OUT_2: F1.23 P3.1 | length 2776.4
  Top Layer w8: P3.1@730,2835 775,2790 918.74,2790 932.46,2803.73 932.46,2972.46 954.41,2994.41 1923.31,2994.41 1968.9,2948.82 1968.9,2149.74 2016.75,2101.9 F1.23@2466.42,2101.9
OUT_3: F1.22 P3.4 | length 2735.6
  Top Layer w8: P3.4@630,2935 675,2890 795,2890 914.91,3009.91 1926.9,3009.91 1983.24,2953.57 1983.24,2163.24 2024.9,2121.58 F1.22@2466.42,2121.58
OUT_4: F1.21 P3.3 | length 2594.6
  Top Layer w8: P3.3@730,2935 823.74,2935 910.15,3021.41 1934.49,3021.41 1997.16,2958.74 1997.16,2177.16 2033.05,2141.27 F1.21@2466.42,2141.27